# Altium PCB Shaheen.PcbDoc (part 1 of 4) (continued)
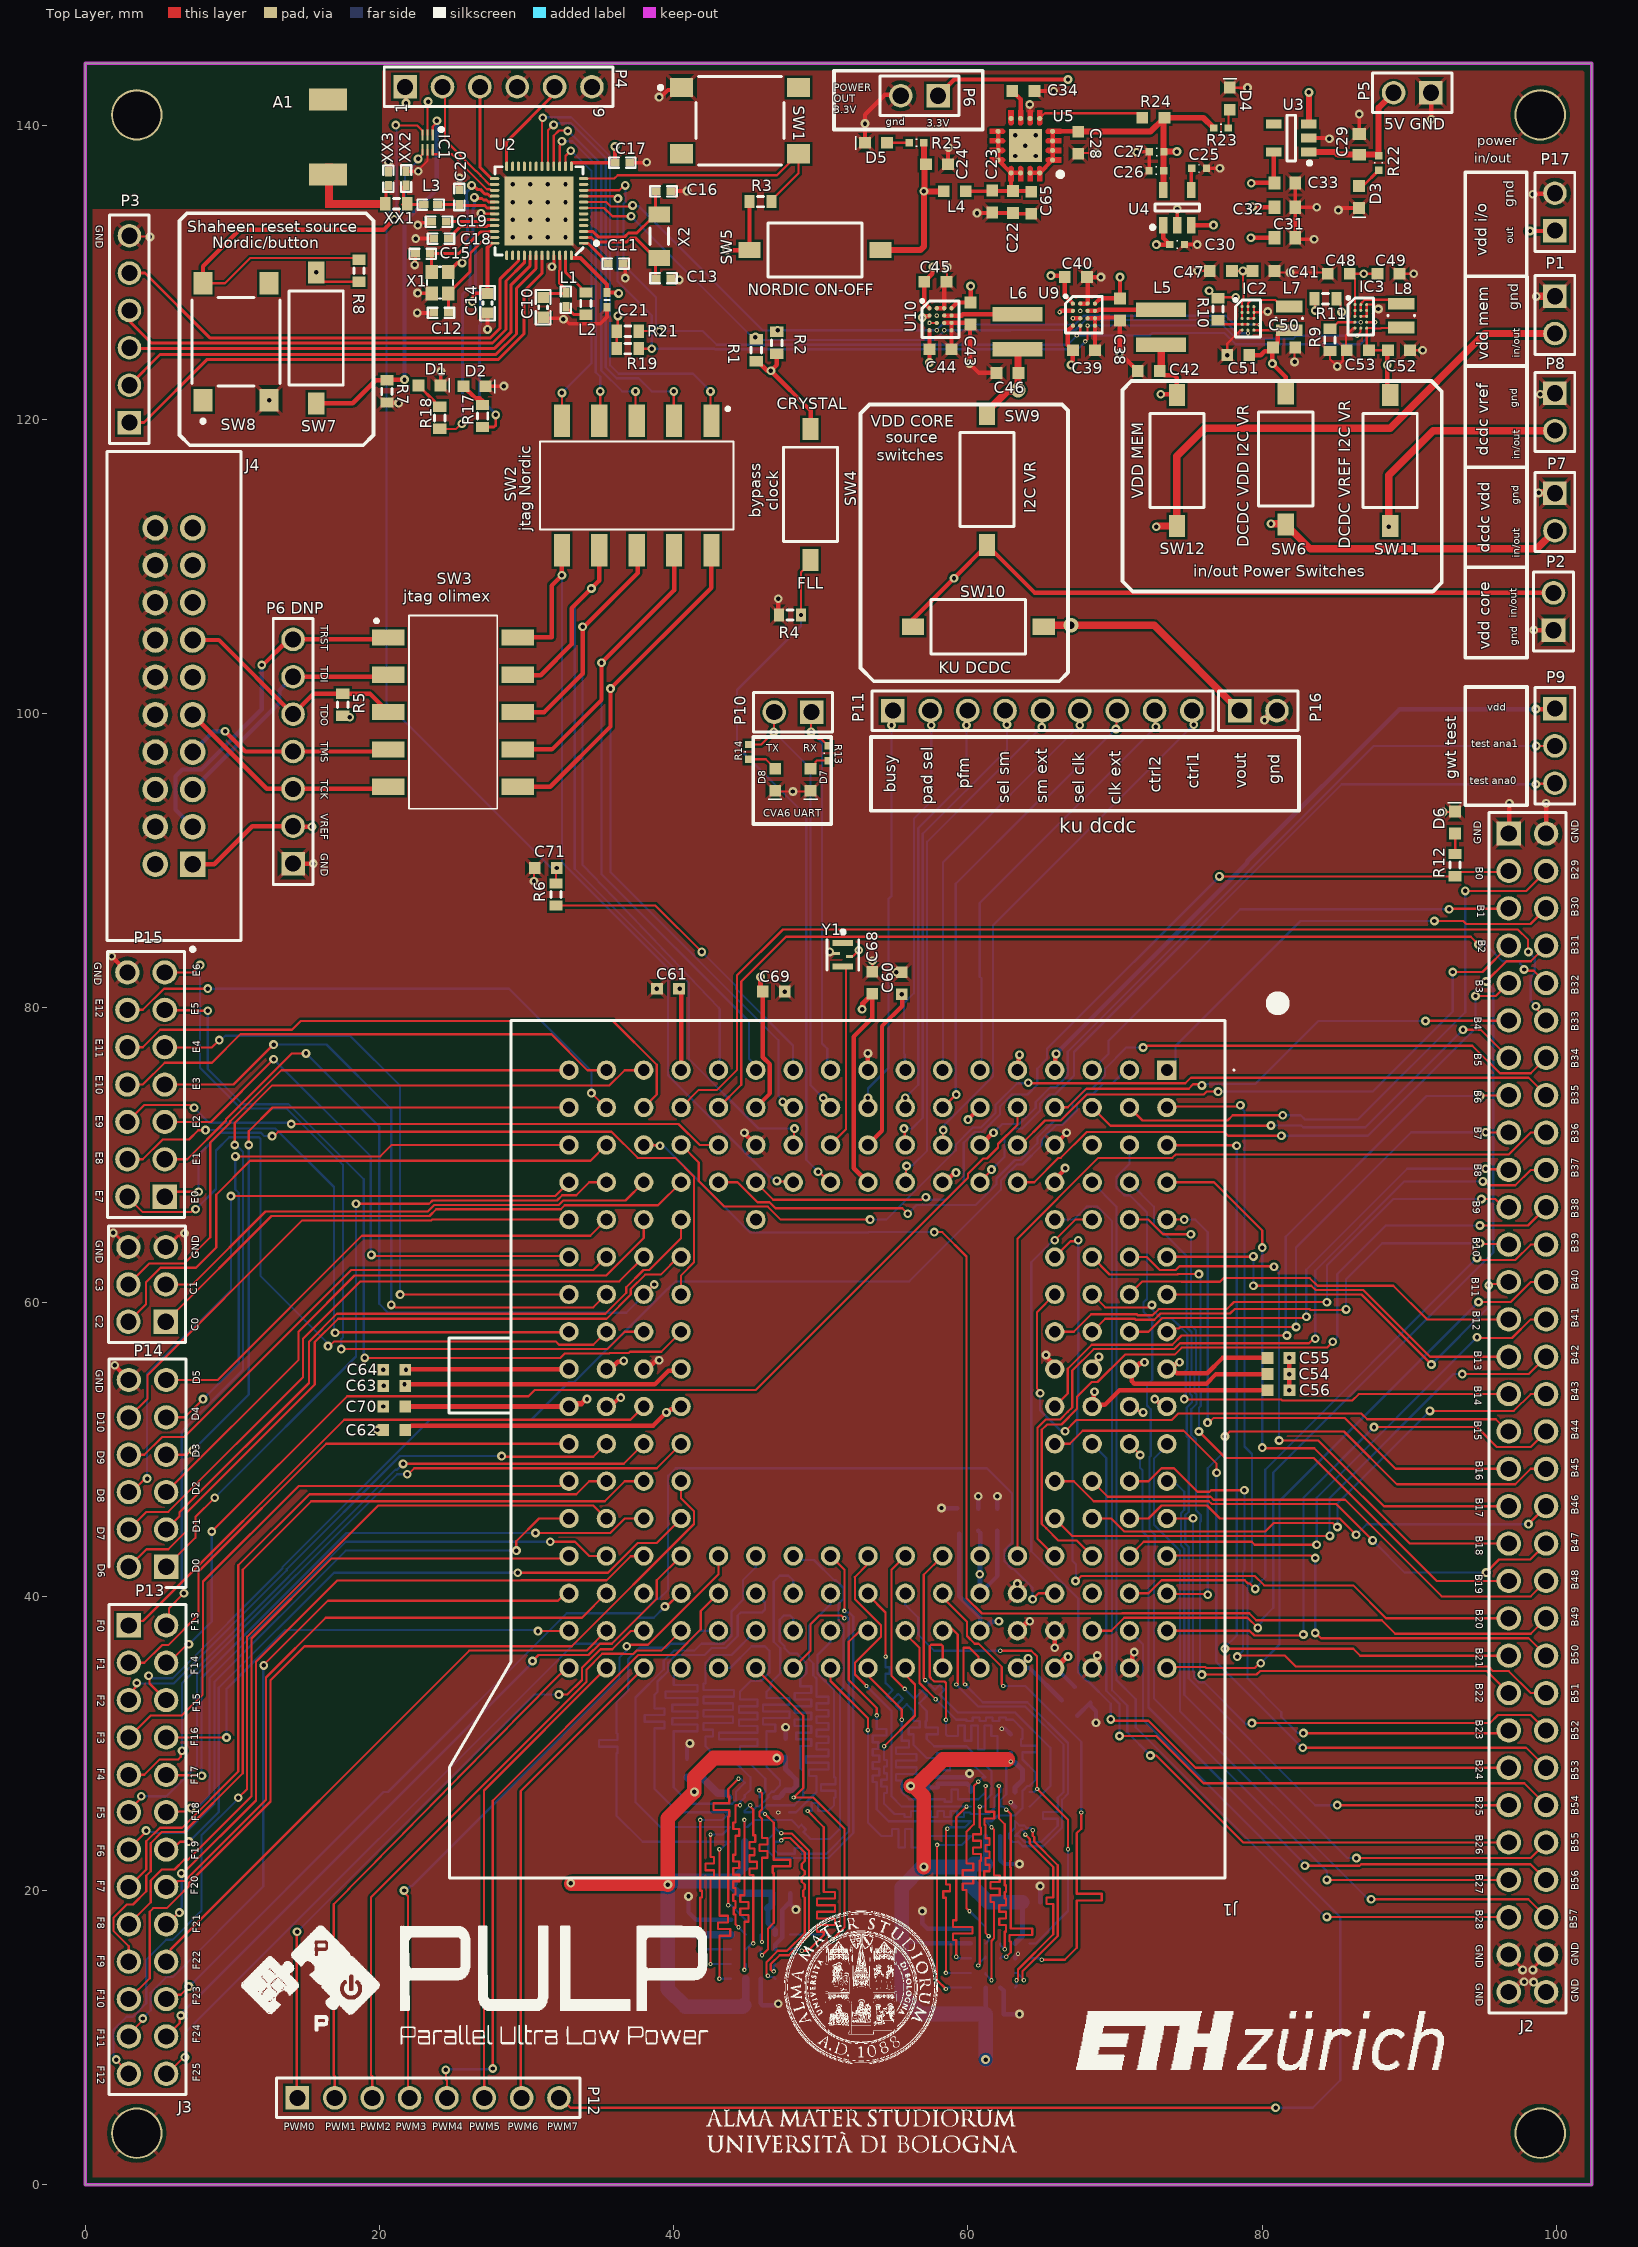
[diagram p0: Top Layer view]
## Design rules (kind name [scope] priority, off if disabled: settings)
BoardOutlineClearance [All] p1: gap=0 ignorepadtopadclearanceinfootprint=FALSE except(0.5: Poly-OutlineEdge)
Clearance [All] p1: gap=0.15 ignorepadtopadclearanceinfootprint=FALSE
ComponentClearance [All] p1: gap=0.127 collisioncheckmode=3 verticalgap=0.127 showdistances=FALSE
DiffPairsRouting [InNetClass('CLOCKDIFF')] p1: maxlimit=2 minlimit=0.2 mostfreqgap=0.2 toplayer_minwidth=0.15 toplayer_maxwidth=0.35 toplayer_prefwidth=0.15 bottomlayer_minwidth=0.15 bottomlayer_maxwidth=0.35 bottomlayer_prefwidth=0.15 maxuncoupledlength=40
HoleSize [All] p1: absolutevalues=TRUE maxlimit=3.2 minlimit=0.15 maxpercent=80.000 minpercent=20.000
HoleToHoleClearance [All] p1 off: gap=0.102 allowstackedmicrovias=TRUE
MatchedLengths HY21 [InxSignalClass('x_HY21')] p1: tolerance=0.1 checknetsindiffpair=FALSE checkdiffpairvsdiffpair=TRUE checkxsignals=TRUE checkothers=TRUE
MatchedLengths HY20 [InxSignalClass('x_HY20')] p2: tolerance=0.1 checknetsindiffpair=FALSE checkdiffpairvsdiffpair=TRUE checkxsignals=TRUE checkothers=TRUE
MatchedLengths HY10 [InxSignalClass('x_HY10')] p3: tolerance=0.1 checknetsindiffpair=FALSE checkdiffpairvsdiffpair=TRUE checkxsignals=TRUE checkothers=TRUE
MatchedLengths HY11 [InxSignalClass('x_HY11')] p4: tolerance=0.1 checknetsindiffpair=FALSE checkdiffpairvsdiffpair=TRUE checkxsignals=TRUE checkothers=TRUE
MatchedLengths [InNetClass('CLOCKDIFF')] p5: tolerance=0.254 checknetsindiffpair=FALSE checkdiffpairvsdiffpair=TRUE checkxsignals=TRUE checkothers=TRUE
MinimumSolderMaskSliver [All] p1: minsoldermaskwidth=0.03
PlaneClearance [All] p1: clearance=0.24
PlaneConnect [All] p1: planeconnectstyle=Direct reliefexpansion=0.508 reliefentries=4 reliefconductorwidth=0.254 reliefairgap=0.254
PolygonConnect [All] p1: thpad.connectstyle=Relief thpad.reliefconductorwidth=0.254 thpad.reliefentries=4 thpad.polygonreliefangle="45 Angle" thpad.airgapwidth=0.254 smdpad.connectstyle=Relief smdpad.reliefconductorwidth=0.254 smdpad.reliefentries=4 smdpad.polygonreliefangle="45 Angle" smdpad.airgapwidth=0.254 via.connectstyle=Direct via.reliefconductorwidth=0.254 via.reliefentries=4 via.polygonreliefangle="45 Angle" via.airgapwidth=0.254
RoutingLayers RoutingLayers_4 [All] p1: top layer_v5=TRUE bottom layer_v5=TRUE
RoutingLayers [All] p2: top layer_v5=TRUE bottom layer_v5=TRUE
RoutingVias [All] p1: holewidth=0.3 width=0.6 viastyle="Through Hole" minholewidth=0.15 minwidth=0.3 maxholewidth=0.508 maxwidth=1
SilkToSilkClearance [All] p1 off: silktosilkclearance=0.01
SilkToSolderMaskClearance [IsPad] p1 off: minsilkscreentomaskgap=0.01 clearancetoexposedcopper=TRUE
SolderMaskExpansion SolderMaskExpansion_1 [IsVia] p1: expansion=0.102 istentingtop=TRUE
SolderMaskExpansion [All] p2: expansion=0.075 istentingtop=FALSE
ViasUnderSMD [All] p1: allowed=TRUE
Width [All] p1: maxlimit=3 minlimit=0.15 preferedwidth=0.15
20 further rules are at their usual default settings.

## Classes and differential pairs
net class PAD_PWM[0..7]: PAD_PWM0 PAD_PWM1 PAD_PWM2 PAD_PWM3 PAD_PWM4 PAD_PWM5 PAD_PWM6 PAD_PWM7
net class PAD_GPIO_F[0..25]: PAD_GPIO_F0 PAD_GPIO_F1 PAD_GPIO_F2 PAD_GPIO_F3 PAD_GPIO_F4 PAD_GPIO_F5 PAD_GPIO_F6 PAD_GPIO_F7 PAD_GPIO_F8 PAD_GPIO_F9 PAD_GPIO_F10 PAD_GPIO_F11 PAD_GPIO_F12 PAD_GPIO_F13 PAD_GPIO_F14 PAD_GPIO_F15 PAD_GPIO_F16 PAD_GPIO_F17 PAD_GPIO_F18 PAD_GPIO_F19 PAD_GPIO_F20 PAD_GPIO_F21 PAD_GPIO_F22 PAD_GPIO_F23 PAD_GPIO_F24 PAD_GPIO_F25
net class PAD_GPIO_E[0..12]: PAD_GPIO_E0 PAD_GPIO_E1 PAD_GPIO_E2 PAD_GPIO_E3 PAD_GPIO_E4 PAD_GPIO_E5 PAD_GPIO_E6 PAD_GPIO_E7 PAD_GPIO_E8 PAD_GPIO_E9 PAD_GPIO_E10 PAD_GPIO_E11 PAD_GPIO_E12
net class PAD_GPIO_D[0..10]: PAD_GPIO_D0 PAD_GPIO_D1 PAD_GPIO_D2 PAD_GPIO_D3 PAD_GPIO_D4 PAD_GPIO_D5 PAD_GPIO_D6 PAD_GPIO_D7 PAD_GPIO_D8 PAD_GPIO_D9 PAD_GPIO_D10
net class PAD_GPIO_C[0..3]: PAD_GPIO_C0 PAD_GPIO_C1 PAD_GPIO_C2 PAD_GPIO_C3
net class PAD_GPIO_B[0..57]: PAD_GPIO_B0 PAD_GPIO_B1 PAD_GPIO_B2 PAD_GPIO_B3 PAD_GPIO_B4 PAD_GPIO_B5 PAD_GPIO_B6 PAD_GPIO_B7 PAD_GPIO_B8 PAD_GPIO_B9 PAD_GPIO_B10 PAD_GPIO_B11 PAD_GPIO_B12 PAD_GPIO_B13 PAD_GPIO_B14 PAD_GPIO_B15 PAD_GPIO_B16 PAD_GPIO_B17 PAD_GPIO_B18 PAD_GPIO_B19 PAD_GPIO_B20 PAD_GPIO_B21 PAD_GPIO_B22 PAD_GPIO_B23 PAD_GPIO_B24 PAD_GPIO_B25 PAD_GPIO_B26 PAD_GPIO_B27 PAD_GPIO_B28 PAD_GPIO_B29 PAD_GPIO_B30 PAD_GPIO_B31 PAD_GPIO_B32 PAD_GPIO_B33 PAD_GPIO_B34 PAD_GPIO_B35 PAD_GPIO_B36 PAD_GPIO_B37 PAD_GPIO_B38 PAD_GPIO_B39 PAD_GPIO_B40 PAD_GPIO_B41 PAD_GPIO_B42 PAD_GPIO_B43 PAD_GPIO_B44 PAD_GPIO_B45 PAD_GPIO_B46 PAD_GPIO_B47 PAD_GPIO_B48 PAD_GPIO_B49 PAD_GPIO_B50 PAD_GPIO_B51 PAD_GPIO_B52 PAD_GPIO_B53 PAD_GPIO_B54 PAD_GPIO_B55 PAD_GPIO_B56 PAD_GPIO_B57
component class Switches: C71 IC1 IC5 IC6 P2 R4 R6 R7 R8 SW4 SW7 SW8 SW9 SW10
component class Shaheen: C54 C55 C56 C57 C58 C59 C60 C61 C62 C63 C64 C66 C67 C68 C69 C70 D6 D7 D8 J1 J2 J3 P9 P10 P11 P12 P13 P14 P15 P16 R12 R13 R14 Y1
net class Hyper2: HYPER2_CK_N HYPER2_CK_P HYPER2_CSN0 HYPER2_CSN1 HYPER2_D0 HYPER2_D1 HYPER2_D2 HYPER2_D3 HYPER2_D4 HYPER2_D5 HYPER2_D6 HYPER2_D7 HYPER2_RESET HYPER2_RWDS
net class HYPER2_D[0..7]: HYPER2_D0 HYPER2_D1 HYPER2_D2 HYPER2_D3 HYPER2_D4 HYPER2_D5 HYPER2_D6 HYPER2_D7
net class HYPER2_CSN[0..1]: HYPER2_CSN0 HYPER2_CSN1
component class HyperRAM2: C4 C5 C6 C7 C8 C9 U7 U8
net class Hyper: HYPER_CK_N HYPER_CK_P HYPER_CSN0 HYPER_CSN1 HYPER_D0 HYPER_D1 HYPER_D2 HYPER_D3 HYPER_D4 HYPER_D5 HYPER_D6 HYPER_D7 HYPER_RWDS
net class HYPER_D[0..7]: HYPER_D0 HYPER_D1 HYPER_D2 HYPER_D3 HYPER_D4 HYPER_D5 HYPER_D6 HYPER_D7
net class HYPER_CSN[0..1]: HYPER_CSN0 HYPER_CSN1
component class Hyperram: C1 C2 C3 C35 C36 C37 U1 U6
component class Nordic: 0.762 A1 C10 C11 C12 C13 C14 C15 C16 C17 C18 C19 C20 C21 D1 D2 J4 L1 L2 L3 P3 P4 "P6 DNP" R1 R2 R3 R5 R17 R18 R19 R21 SW SW1 SW2 SW3 SW5 U2 X1 X2 X4 XX1 XX2 XX3
component class PowerDomain: C22 C23 C24 C25 C26 C27 C28 C29 C30 C31 C32 C33 C34 C38 C39 C40 C41 C42 C43 C44 C45 C46 C47 C48 C49 C50 C51 C52 C53 C65 D3 D4 D5 IC2 IC3 L4 L5 L6 L7 L8 P1 P5 P6 P7 P8 P17 R9 R10 R11 R22 R23 R24 R25 SW6 SW11 SW12 U3 U4 U5 U9 U10
pad class Pad_Class: COchg2-6 COchg2-7 COchg2-8 COchg2-9
differential pair HYPER2_CK: +HYPER2_CK_P -HYPER2_CK_N
differential pair HYPER_CK: +HYPER_CK_P -HYPER_CK_N

## Components (designator, comment, footprint, x,y, rotation, side; value= is the part's Value field where it differs from the comment)
A1 "ANT-2.45-CHP-T" ANTENNACHIP 16.493,137.292 r90 top
C1 "VJ0603Y104KNXAO" CAPC1608X92X38LL15T08 61.8,11.6 r180 bottom
C2 "VJ0603Y104KNXAO" CAPC1608X92X38LL15T08 56.9,17.125 r270 bottom
C3 "VJ0603Y104KNXAO" CAPC1608X92X38LL15T08 64.3,19.2 r180 bottom
C4 "VJ0603Y104KNXAO" CAPC1608X92X38LL15T08 45.3,21.4 r180 bottom
C5 "VJ0603Y104KNXAO" CAPC1608X92X38LL15T08 40.9,28.325 r270 bottom
C6 "VJ0603Y104KNXAO" CAPC1608X92X38LL15T08 47.6,29.7 r270 bottom
C7 "VJ0603Y104KNXAO" CAPC1608X92X38LL15T08 45.4,12.2 r180 bottom
C8 "VJ0603Y104KNXAO" CAPC1608X92X38LL15T08 41,17.9 r270 bottom
C9 "VJ0603Y104KNXAO" CAPC1608X92X38LL15T08 47.3,19.8 r180 bottom
C10 "1.0µF" CAPC1608X06L 31.123,127.614 r90 top
C11 "100nF" CAPC1005X04L 36.051,130.586 r0 top
C12 "12pF" CAPC1005X04L 24.186,127.233 r180 top
C13 "12pF" CAPC1005X04L 39.3,129.596 r0 top
C14 "4.7µF" CAPC1608X06L 27.339,127.894 r270 top
C15 "12pF" CAPC1005X04L 22.944,131.246 r180 top
C16 "12pF" CAPC1005X04L 39.3,135.496 r0 top
C17 "100nF" CAPC1005X04L 36.508,137.444 r0 top
C18 "100pF" CAPC1005X04L 24.186,132.288 r180 top
C19 "N.C." CAPC1005X04L 24.037,133.431 r0 top
C20 "0.8pF" CAPC1005X04L 25.434,135.107 r270 top
C21 "100nF" CAPC1005X04L 35.467,128.122 r270 top
C22 "Cap" 0603 63.051,134.777 r270 top value=100pF
C23 "Cap" 0603 61.654,134.802 r270 top value=100pF
C24 "Cap" 0603 57.895,137.342 r0 top value=100pF
C25 "Cap" "cap_0402_R - modified" 76.208,137.063 r180 top value=100pF
C26 "Cap" "cap_0402_R - modified" 73.3,136.9 r180 top value=100pF
C27 "Cap" "cap_0402_R - modified" 72.322,138.181 r0 top value=100pF
C28 "Cap" 0603 67.5,138.8 r270 top value=4.7uF
C29 "Cap Semi" 1608[0603] 86.597,138.689 r270 top value=100pF
C30 "Cap" "cap_0402_R - modified" 74.716,131.88 r180 top value=100pF
C31 "Cap Semi" 1608[0603] 81.542,132.339 r180 top value=100pF
C32 "Cap Semi" 1608[0603] 81.542,134.421 r180 top value=100pF
C33 "Cap Semi" 1608[0603] 81.542,136.072 r180 top value=100pF
C34 "" 0603 63.762,142.321 r0 top value=100nF
C35 "VJ0603Y104KNXAO" CAPC1608X92X38LL15T08 57.3,27.625 r270 bottom
C36 "VJ0603Y104KNXAO" CAPC1608X92X38LL15T08 62.9,30 r270 bottom
C37 "VJ0603Y104KNXAO" CAPC1608X92X38LL15T08 61.825,21.8 r180 bottom
C38 "Cap" 0603 70.332,127.468 r90 top value=0.1uF
C39 "Cap" 0603 67.882,124.701 r180 top value=0.1uF
C40 "Cap" 0603 67.332,129.668 r0 top value=10uF
C41 "Cap" 0603 80.09,130.09 r180 top value=4.7uF
C42 "Cap" 0603 72.29,123.29 r180 top value=47uF
C43 "Cap" 0603 60.174,127.191 r90 top value=0.1uF
C44 "Cap" 0603 58.131,124.761 r180 top value=0.1uF
C45 "Cap" 0603 57.781,129.354 r0 top value=10uF
C46 "Cap" 0603 62.681,123.154 r180 top value=47uF
C47 "Cap" 0603 77.19,130.09 r0 top value=100nF
C48 "Cap" 0603 85.2,129.9 r0 top value=4.7uF
C49 "Cap" 0603 88.58,129.9 r180 top value=100nF
C50 "Cap" 0603 81.49,124.89 r0 top value=22uF
C51 "Cap" 0603 78.368,124.364 r180 top value=22uF
C52 "Cap" 0603 89.3,124.7 r0 top value=22uF
C53 "Cap" 0603 86.5,124.7 r180 top value=22uF
C54 "Cap" 0603 81.1,55.1 r0 top value=100nF
C55 "Cap" 0603 81.1,56.2 r0 top value=100nF
C56 "Cap" 0603 81.1,54 r0 top value=100nF
C57 "Cap" 0603 60.7,45.2 r90 bottom value=100nF
C58 "Cap" 0603 67.8,33.3 r315 bottom value=100nF
C59 "Cap" 0603 62,45.2 r270 bottom value=100nF
C60 "Cap" 0603 55.504,81.664 r90 top value=100nF
C61 "Cap" 0603 39.606,81.293 r180 top value=100nF
C62 "Cap" 0603 21,51.3 r0 top value=100nF
C63 "Cap" 0603 21,54.3 r180 top value=100nF
C64 "Cap" 0603 21,55.4 r180 top value=100nF
C65 "Cap" 0603 64.3,134.725 r270 top value=4.7uF
C66 "Cap" 0603 59.3,45.2 r270 bottom value=100nF
C67 "Cap" 0603 66.9,32.4 r315 bottom value=100nF
C68 "Cap" 0603 53.5,81.7 r90 top value=100nF
C69 "Cap" 0603 46.8,81.1 r0 top value=100nF
C70 "Cap" 0603 21,52.9 r180 top value=100nF
C71 "Cap" 0603 31.3,89.5 r180 top value=1uF
D1 "LED3" 0603 23.4,122.3 r0 top
D2 "LED3" 0603 26.45,122.255 r0 top
D3 "LED3" 0603 86.571,135.107 r270 top
D4 "LED3" 0603 77.8,141.8 r90 top
D5 "LED3" 0603 53.75,138.796 r180 top
D6 "LED3" 0603 93.1,92.6 r90 top
D7 "LED3" 0603 49.3,95.5 r270 top
D8 "LED3" 0603 46.9,95.5 r270 top
IC1 "DG4157EDN-T1-GE4" SON35P100X100X38-6N 23.271,138.825 r270 top
IC2 "FAN53528DUC40X" BGA15C40P3X5_131X202X62 79.032,126.861 r0 top
IC3 "FAN53528DUC40X" BGA15C40P3X5_131X202X62 86.7,127 r0 top
J1 "441-PRS21001-16" 441PRS2100116 73.52,75.76 r180 top locked
J2 "61306421121" 61306421121 98.03,52.47 r270 top
J3 "61301221121" HDRV12W64P254_2X6_1524X508X889P 5.5,42 r90 top
J4 "70246-2004" FP-70246-2004-MFG 6.03,101.19 r90 top
L1 "LQW15AN15NJ00D" INDC1005X04L 32.673,128.122 r270 top value=15nH
L2 "L0603B100KDWFT" J1-0603 34.029,127.868 r90 top value=10µH
L3 "3.9nH" INDC1005X04L 23.478,134.599 r180 top
L4 "Inductor" 0603 59.1,135.5 r180 top value=2.2uH
L5 "XFL4020-102MEC" COIL-XFL4020_V 73.132,126.268 r90 top
L6 "XFL4020-102MEC" COIL-XFL4020_V 63.381,125.954 r90 top
L7 "DFE201610P-R33M=P2" FP-DFE201610C-MFG 81.832,126.861 r270 top
L8 "DFE201610P-R33M=P2" FP-DFE201610C-MFG 89.45,127.05 r270 top
P1 "61300211121" 61300211121 99.9,127.1 r270 top
P2 "61300211121" 61300211121 99.8,106.93 r90 top
P3 "61300611121" 61300611121 3,126.13 r90 top
P4 "61300611121" 61300611121 28.09,142.6 r0 top
P5 "61300211121" 61300211121 90.2,142.2 r180 top
P6 "61300211121" 61300211121 56.7,142 r180 top
"P6 DNP" "61300711121" 61300711121 14.123,97.42 r90 top
P7 "61300211121" 61300211121 99.9,113.7 r270 top
P8 "61300211121" 61300211121 99.9,120.5 r270 top
P9 "61300311121" 61300311121 99.9,97.8 r270 top
P10 "61300211121" 61300211121 48.1,100.1 r180 top
P11 "61300911121" 61300911121 65.06,100.2 r0 top
P12 "61300811121" 61300811121 23.31,5.9 r0 top
P13 "61302621121" 61302621121 4.23,22.78 r270 top
P14 "61300621121" 61300621121 4.2,61.2 r90 top
P15 "61301421121" 61301421121 4.13,74.78 r90 top
P16 "61300211121" 61300211121 79.73,100.2 r0 top
P17 "61300211121" 61300211121 99.9,134.1 r90 top
R1 "0R" J1-0603 45.6,124.7 r90 top value=1K
R2 "0R" J1-0603 47,125.2 r90 top value=1K
R3 "0R" J1-0603 45.9,134.8 r180 top value=1K
R4 "0R" J1-0603 47.9,106.7 r180 top value=1K
R5 "0R" J1-0603 17.5,100.6 r90 top value=10K
R6 "0R" J1-0603 32,87.7 r270 top value=10K
R7 "0R" J1-0603 20.5,121.9 r270 top value=1K
R8 "0R" J1-0603 18.6,130.1 r270 top value=1K
R9 "0R" J1-0603 84.6,125.4 r270 top value=1K
R10 "0R" J1-0603 76.99,127.49 r90 top value=1K
R11 "0R" J1-0603 84.3,128.2 r180 top value=1K
R12 "Res3" J1-0603 93.1,89.7 r90 top value=100R
R13 "Res3" "res_0402_R - modified" 50.5,97.8 r270 top value=100R
R14 "Res3" "res_0402_R - modified" 45.1,97.9 r270 top value=100R
R17 "Res3" J1-0603 27.008,120.223 r90 top value=100R
R18 "Res3" J1-0603 24.1,120.1 r90 top value=100R
R19 "0R" J1-0603 36.876,124.808 r180 top value=1K
R21 "0R" J1-0603 36.876,125.991 r180 top value=1K
R22 "Res3" "res_0402_R - modified" 87.918,137.927 r270 top value=1K
R23 "Res3" "res_0402_R - modified" 76.7,139.8 r0 top value=1K
R24 "" 0603 72.6,140.5 r0 top value=100K
R25 "Res3" "res_0402_R - modified" 57,138.8 r180 top value=100R
SW1 "PTS645SM43SMTR92LFS" FP-PTS645SM43SMTR92LFS-MFG 44.5,140.3 r0 top
SW2 "418121160805" 418121160805 37.48,115.5 r180 top
SW3 "418121160805" 418121160805 25,100.1 r270 top
SW4 "A6S-1104-H" FP-A6S-1104-H-MFG 49.3,114.9 r0 top
SW5 "A6S-1104-H" FP-A6S-1104-H-MFG 49.6,131.5 r90 top
SW6 "A6S-1104-H" FP-A6S-1104-H-MFG 81.6,117.3 r180 top
SW7 "A6S-1104-H" FP-A6S-1104-H-MFG 15.695,125.536 r0 top
SW8 "PTS645SM43SMTR92LFS" FP-PTS645SM43SMTR92LFS-MFG 10.248,125.273 r90 top
SW9 "A6S-1104-H" FP-A6S-1104-H-MFG 61.3,115.9 r0 top
SW10 "A6S-1104-H" FP-A6S-1104-H-MFG 60.7,105.9 r270 top
SW11 "A6S-1104-H" FP-A6S-1104-H-MFG 88.7,117.2 r180 top
SW12 "A6S-1104-H" FP-A6S-1104-H-MFG 74.2,117.2 r180 top
U1 "S71KS512SC0" FBGA24_A-130 62.2,15.4 r90 bottom
U2 "nRF52832-QFAA" QFN40P600X600X90-48N 30.844,134.167 r180 top
U3 "TLV70237" "SOT23__DDC__(R - PDSO-  G5)" 81.974,139.12 r180 top
U4 "TPS79333" "SOT_23__DBV_(R - PDSO - G5)" 74.227,134.396 r90 top
U5 "ADP1740ACPZ-1.8-R7" ADP1740ACPZ-1.8-R7 63.9,138.6 r180 top
U6 "S71KS512SC0" FBGA24_A-130 62.2,25.7 r90 bottom
U7 "S71KS512SC0" FBGA24_A-130 45.825,25.316 r90 bottom
U8 "S71KS512SC0" FBGA24_A-130 45.9,16 r90 bottom
U9 "TPS62361BYZHR" BGA16C50P4X4_206X206X62 67.882,127.118 r0 top
U10 "TPS62361BYZHR" BGA16C50P4X4_206X206X62 58.131,126.804 r0 top
X1 "FA-128 32.0000MF10Z-AJ3-ND" BT-XTAL_2016 24.111,129.291 r270 top value=32MHz
X2 "ABS07-32.768KHZ-9-1-T" ABS07-32.768KHZ-9-1-T 39.023,132.44 r90 top value=32.768kHz
XX1 "Res3" J1-0603 21.144,134.65 r180 top value=1K
XX2 "NC" INDC1005X04L 21.801,136.377 r90 top value=N.C.
XX3 "NC" INDC1005X04L 20.608,136.352 r90 top value=N.C.
Y1 "SIT1533AC-H5-DCC-32.768E" FP-SiT1533-H-MFG 51.5,83.6 r270 top

## Footprints (in the part's own frame and the unit in brackets; to place one, negate y for a bottom-side part, rotate by r counter-clockwise, add the part's x,y. Pads: shape width x height; smd on the part's side, far side on the other; paste and mask are expansions set on the pad)
441PRS2100116 [mm]
  round 1.316 hole 0.81: A1(40.64,0) A2(40.64,2.54) A3(40.64,5.08) A4(40.64,7.62) A5(40.64,10.16) A6(40.64,12.7) A7(40.64,15.24) A8(40.64,17.78) A9(40.64,20.32) A10(40.64,22.86) A11(40.64,25.4) A12(40.64,27.94) A13(40.64,30.48) A14(40.64,33.02) A15(40.64,35.56) A16(40.64,38.1) A17(40.64,40.64) B1(38.1,0) B2(38.1,2.54) B3(38.1,5.08) B4(38.1,7.62) B5(38.1,10.16) B6(38.1,12.7) B7(38.1,15.24) B8(38.1,17.78) B9(38.1,20.32) B10(38.1,22.86) B11(38.1,25.4) B12(38.1,27.94) B13(38.1,30.48) B14(38.1,33.02) B15(38.1,35.56) B16(38.1,38.1) B17(38.1,40.64) C1(35.56,0) C2(35.56,2.54) C3(35.56,5.08) C4(35.56,7.62) C5(35.56,10.16) C6(35.56,12.7) C7(35.56,15.24) C8(35.56,17.78) C9(35.56,20.32) C10(35.56,22.86) C11(35.56,25.4) C12(35.56,27.94) C13(35.56,30.48) C14(35.56,33.02) C15(35.56,35.56) C16(35.56,38.1) C17(35.56,40.64) D1(33.02,0) D2(33.02,2.54) D3(33.02,5.08) D4(33.02,7.62) D5(33.02,10.16) D6(33.02,12.7) D7(33.02,15.24) D8(33.02,17.78) D9(33.02,20.32) D10(33.02,22.86) D11(33.02,25.4) D12(33.02,27.94) D13(33.02,30.48) D14(33.02,33.02) D15(33.02,35.56) D16(33.02,38.1) D17(33.02,40.64) E1(30.48,0) E2(30.48,2.54) E3(30.48,5.08) E4(30.48,7.62) E14(30.48,33.02) E15(30.48,35.56) E16(30.48,38.1) E17(30.48,40.64) F1(27.94,0) F2(27.94,2.54) F3(27.94,5.08) F4(27.94,7.62) F5(27.94,10.16) F14(27.94,33.02) F15(27.94,35.56) F16(27.94,38.1) F17(27.94,40.64) G1(25.4,0) G2(25.4,2.54) G3(25.4,5.08) G4(25.4,7.62) G14(25.4,33.02) G15(25.4,35.56) G16(25.4,38.1) G17(25.4,40.64) H1(22.86,0) H2(22.86,2.54) H3(22.86,5.08) H4(22.86,7.62) H14(22.86,33.02) H15(22.86,35.56) H16(22.86,38.1) H17(22.86,40.64) J1(20.32,0) J2(20.32,2.54) J3(20.32,5.08) J4(20.32,7.62) J14(20.32,33.02) J15(20.32,35.56) J16(20.32,38.1) J17(20.32,40.64) K1(17.78,0) K2(17.78,2.54) K3(17.78,5.08) K4(17.78,7.62) K14(17.78,33.02) K15(17.78,35.56) K16(17.78,38.1) K17(17.78,40.64) L1(15.24,0) L2(15.24,2.54) L3(15.24,5.08) L4(15.24,7.62) L14(15.24,33.02) L15(15.24,35.56) L16(15.24,38.1) L17(15.24,40.64) M1(12.7,0) M2(12.7,2.54) M3(12.7,5.08) M4(12.7,7.62) M14(12.7,33.02) M15(12.7,35.56) M16(12.7,38.1) M17(12.7,40.64) N1(10.16,0) N2(10.16,2.54) N3(10.16,5.08) N4(10.16,7.62) N14(10.16,33.02) N15(10.16,35.56) N16(10.16,38.1) N17(10.16,40.64) P1(7.62,0) P2(7.62,2.54) P3(7.62,5.08) P4(7.62,7.62) P5(7.62,10.16) P6(7.62,12.7) P7(7.62,15.24) P8(7.62,17.78) P9(7.62,20.32) P10(7.62,22.86) P11(7.62,25.4) P12(7.62,27.94) P13(7.62,30.48) P14(7.62,33.02) P15(7.62,35.56) P16(7.62,38.1) P17(7.62,40.64) R1(5.08,0) R2(5.08,2.54) R3(5.08,5.08) R4(5.08,7.62) R5(5.08,10.16) R6(5.08,12.7) R7(5.08,15.24) R8(5.08,17.78) R9(5.08,20.32) R10(5.08,22.86) R11(5.08,25.4) R12(5.08,27.94) R13(5.08,30.48) R14(5.08,33.02) R15(5.08,35.56) R16(5.08,38.1) R17(5.08,40.64) S1(2.54,0) S2(2.54,2.54) S3(2.54,5.08) S4(2.54,7.62) S5(2.54,10.16) S6(2.54,12.7) S7(2.54,15.24) S8(2.54,17.78) S9(2.54,20.32) S10(2.54,22.86) S11(2.54,25.4) S12(2.54,27.94) S13(2.54,30.48) S14(2.54,33.02) S15(2.54,35.56) S16(2.54,38.1) S17(2.54,40.64) T2(0,2.54) T3(0,5.08) T4(0,7.62) T5(0,10.16) T6(0,12.7) T7(0,15.24) T8(0,17.78) T9(0,20.32) T10(0,22.86) T11(0,25.4) T12(0,27.94) T13(0,30.48) T14(0,33.02) T15(0,35.56) T16(0,38.1) T17(0,40.64)
  rect 1.316x1.316 hole 0.81: T1(0,0)
  silkscreen extent -4.6,-3.38 48.81,54.9
0603 [mm] "Radial Cap, Thru-Hole; 2 Leads; 0.3 in Pin Spacing"
  rect 0.8x0.8 smd: 1(-0.75,0) 2(0.75,0)
1608[0603] [mm] "Chip Capacitor, Body 1.6x0.8mm, IPC High Density"
  rect 0.8x0.9 smd: 1(-0.7,0) 2(0.7,0)
  body extent -0.87,-0.48 0.87,0.48, height 1.3
61300211121 [mm] "Pin Header, pitch 2.54 mm, THT, Vertical, single row, 2p"
  rect 1.6x1.6 hole 1.1: 1(-1.27,0)
  round 1.6 hole 1.1: 2(1.27,0)
  silkscreen extent -2.69,-1.35 2.69,1.35, body extent -2.54,-1.27 2.54,1.27, height 8.57
61300311121 [mm] "Pin Header, pitch 2.54 mm, THT, Vertical, single row, 3p"
  rect 1.6x1.6 hole 1.1: 1(-2.54,0)
  round 1.6 hole 1.1: 2(0,0) 3(2.54,0)
  silkscreen extent -3.96,-1.35 3.96,1.35, body extent -3.81,-1.27 3.81,1.27, height 8.57
61300611121 [mm] "Pin Header, pitch 2.54 mm, THT, Vertical, single row, 6p"
  rect 1.6x1.6 hole 1.1: 1(-6.35,0)
  round 1.6 hole 1.1: 2(-3.81,0) 3(-1.27,0) 4(1.27,0) 5(3.81,0) 6(6.35,0)
  silkscreen extent -7.77,-1.35 7.77,1.35, body extent -7.62,-1.27 7.62,1.27, height 8.57
61300621121 [mm] "Pin Header, pitch 2.54 mm, THT, Vertical, dual row, 6p"
  rect 1.65x1.65 hole 1.1: 1(-2.54,-1.27)
  round 1.65 hole 1.1: 2(-2.54,1.27) 3(0,-1.27) 4(0,1.27) 5(2.54,-1.27) 6(2.54,1.27)
  silkscreen extent -3.96,-2.62 3.96,2.62, body extent -3.81,-2.54 3.81,2.54, height 8.59
61300711121 [mm] "Pin Header, pitch 2.54 mm, THT, Vertical, single row, 7p"
  rect 1.6x1.6 hole 1.1: 1(-7.62,0)
  round 1.6 hole 1.1: 2(-5.08,0) 3(-2.54,0) 4(0,0) 5(2.54,0) 6(5.08,0) 7(7.62,0)
  silkscreen extent -9.04,-1.35 9.04,1.35, body extent -8.89,-1.27 8.89,1.27, height 8.57
61300811121 [mm] "Pin Header, pitch 2.54 mm, THT, Vertical, single row, 8p"
  rect 1.6x1.6 hole 1.1: 1(-8.89,0)
  round 1.6 hole 1.1: 2(-6.35,0) 3(-3.81,0) 4(-1.27,0) 5(1.27,0) 6(3.81,0) 7(6.35,0) 8(8.89,0)
  silkscreen extent -10.31,-1.35 10.31,1.35, body extent -10.16,-1.27 10.16,1.27, height 8.57
61300911121 [mm] "Pin Header, pitch 2.54 mm, THT, Vertical, single row, 9p"
  rect 1.6x1.6 hole 1.1: 1(-10.16,0)
  round 1.6 hole 1.1: 2(-7.62,0) 3(-5.08,0) 4(-2.54,0) 5(0,0) 6(2.54,0) 7(5.08,0) 8(7.62,0) 9(10.16,0)
  silkscreen extent -11.58,-1.35 11.58,1.35, body extent -11.43,-1.27 11.43,1.27, height 8.57
61301421121 [mm] "Pin Header, pitch 2.54 mm, THT, Vertical, dual row, 14p"
  rect 1.65x1.65 hole 1.1: 1(-7.62,-1.27)
  round 1.65 hole 1.1: 2(-7.62,1.27) 3(-5.08,-1.27) 4(-5.08,1.27) 5(-2.54,-1.27) 6(-2.54,1.27) 7(0,-1.27) 8(0,1.27) 9(2.54,-1.27) 10(2.54,1.27) 11(5.08,-1.27) 12(5.08,1.27) 13(7.62,-1.27) 14(7.62,1.27)
  silkscreen extent -9.04,-2.62 9.04,2.62, body extent -8.89,-2.54 8.89,2.54, height 8.59
61302621121 [mm] "Pin Header, pitch 2.54 mm, THT, Vertical, dual row, 26p"
  rect 1.65x1.65 hole 1.1: 1(-15.24,-1.27)
  round 1.65 hole 1.1: 2(-15.24,1.27) 3(-12.7,-1.27) 4(-12.7,1.27) 5(-10.16,-1.27) 6(-10.16,1.27) 7(-7.62,-1.27) 8(-7.62,1.27) 9(-5.08,-1.27) 10(-5.08,1.27) 11(-2.54,-1.27) 12(-2.54,1.27) 13(0,-1.27) 14(0,1.27) 15(2.54,-1.27) 16(2.54,1.27) 17(5.08,-1.27) 18(5.08,1.27) 19(7.62,-1.27) 20(7.62,1.27) 21(10.16,-1.27) 22(10.16,1.27) 23(12.7,-1.27) 24(12.7,1.27) 25(15.24,-1.27) 26(15.24,1.27)
  silkscreen extent -16.66,-2.62 16.66,2.62, body extent -16.51,-2.54 16.51,2.54, height 8.59
61306421121 [mm] "Pin Header, pitch 2.54 mm, THT, Vertical, dual row, 64p"
  rect 1.65x1.65 hole 1.1: 1(-39.37,-1.27)
  round 1.65 hole 1.1: 2(-39.37,1.27) 3(-36.83,-1.27) 4(-36.83,1.27) 5(-34.29,-1.27) 6(-34.29,1.27) 7(-31.75,-1.27) 8(-31.75,1.27) 9(-29.21,-1.27) 10(-29.21,1.27) 11(-26.67,-1.27) 12(-26.67,1.27) 13(-24.13,-1.27) 14(-24.13,1.27) 15(-21.59,-1.27) 16(-21.59,1.27) 17(-19.05,-1.27) 18(-19.05,1.27) 19(-16.51,-1.27) 20(-16.51,1.27) 21(-13.97,-1.27) 22(-13.97,1.27) 23(-11.43,-1.27) 24(-11.43,1.27) 25(-8.89,-1.27) 26(-8.89,1.27) 27(-6.35,-1.27) 28(-6.35,1.27) 29(-3.81,-1.27) 30(-3.81,1.27) 31(-1.27,-1.27) 32(-1.27,1.27) 33(1.27,-1.27) 34(1.27,1.27) 35(3.81,-1.27) 36(3.81,1.27) 37(6.35,-1.27) 38(6.35,1.27) 39(8.89,-1.27) 40(8.89,1.27) 41(11.43,-1.27) 42(11.43,1.27) 43(13.97,-1.27) 44(13.97,1.27) 45(16.51,-1.27) 46(16.51,1.27) 47(19.05,-1.27) 48(19.05,1.27) 49(21.59,-1.27) 50(21.59,1.27) 51(24.13,-1.27) 52(24.13,1.27) 53(26.67,-1.27) 54(26.67,1.27) 55(29.21,-1.27) 56(29.21,1.27) 57(31.75,-1.27) 58(31.75,1.27) 59(34.29,-1.27) 60(34.29,1.27) 61(36.83,-1.27) 62(36.83,1.27) 63(39.37,-1.27) 64(39.37,1.27)
  silkscreen extent -40.79,-2.62 40.79,2.62, body extent -40.64,-2.54 40.64,2.54, height 8.59
418121160805 [mm] "05p, 2.54mm Pitch, Horizontal, IC Type, SMT, flat Actuator, black, with Tape, T&R"
  rect 1.1x2.2 smd: 1(-5.08,-4.4) 2(-2.54,-4.4) 3(0,-4.4) 4(2.54,-4.4) 5(5.08,-4.4) 6(5.08,4.4) 7(2.54,4.4) 8(0,4.4) 9(-2.54,4.4) 10(-5.08,4.4)
  silkscreen extent -6.57,-5.31 6.57,3, body extent -6.57,-4.85 6.57,4.85, height 3.67
ABS07-32.768KHZ-9-1-T [mm] "Crystals CRYSTAL 32.7680KHZ 6PF SMD"
  rect 1.1x1.45 smd: 1(-1.475,0) 2(1.475,0)
  silkscreen extent -0.55,-0.63 0.55,0.62, body extent -1.65,-0.7 1.65,0.7, height 0.9
ADP1740ACPZ-1.8-R7 [mm]
  round 0.35 smd: 1(-1.85,0.975) 2(-1.85,0.325) 3(-1.85,-0.325) 4(-1.85,-0.975) 5(-0.975,-1.85) 6(-0.325,-1.85) 7(0.325,-1.85) 8(0.975,-1.85) 9(1.85,-0.975) 10(1.85,-0.325) 11(1.85,0.325) 12(1.85,0.975) 13(0.975,1.85) 14(0.325,1.85) 15(-0.325,1.85) 16(-0.975,1.85)
  rect 2.25x2.25 smd: 17(0,0)
  Top Layer region: 0.8,-2.425 0.8,-1.55 0.806,-1.505 0.823,-1.462 0.851,-1.426 0.887,-1.398 0.93,-1.381 0.975,-1.375 1.02,-1.381 1.062,-1.398 1.099,-1.426 1.127,-1.462 1.144,-1.505 1.15,-1.55 1.15,-1.55 1.15,-2.425 0.8,-2.425
  Top Layer region: -0.8,2.425 -0.8,1.55 -0.806,1.505 -0.823,1.462 -0.851,1.426 -0.887,1.398 -0.93,1.381 -0.975,1.375 -1.02,1.381 -1.062,1.398 -1.099,1.426 -1.127,1.462 -1.144,1.505 -1.15,1.55 -1.15,1.55 -1.15,2.425 -0.8,2.425
  Top Layer region: -0.15,2.425 -0.15,1.55 -0.156,1.505 -0.173,1.462 -0.201,1.426 -0.238,1.398 -0.28,1.381 -0.325,1.375 -0.37,1.381 -0.413,1.398 -0.449,1.426 -0.477,1.462 -0.494,1.505 -0.5,1.55 -0.5,1.55 -0.5,2.425 -0.15,2.425
  Top Layer region: 0.5,2.425 0.5,1.55 0.494,1.505 0.477,1.462 0.449,1.426 0.413,1.398 0.37,1.381 0.325,1.375 0.28,1.381 0.238,1.398 0.201,1.426 0.173,1.462 0.156,1.505 0.15,1.55 0.15,1.55 0.15,2.425 0.5,2.425
  Top Layer region: 1.15,2.425 1.15,1.55 1.144,1.505 1.127,1.462 1.099,1.426 1.062,1.398 1.02,1.381 0.975,1.375 0.93,1.381 0.887,1.398 0.851,1.426 0.823,1.462 0.806,1.505 0.8,1.55 0.8,1.55 0.8,2.425 1.15,2.425
  Top Layer region: 2.425,0.8 1.55,0.8 1.505,0.806 1.462,0.823 1.426,0.851 1.398,0.887 1.381,0.93 1.375,0.975 1.381,1.02 1.398,1.062 1.426,1.099 1.462,1.127 1.505,1.144 1.55,1.15 1.55,1.15 2.425,1.15 2.425,0.8
  Top Layer region: 2.425,0.15 1.55,0.15 1.505,0.156 1.462,0.173 1.426,0.201 1.398,0.238 1.381,0.28 1.375,0.325 1.381,0.37 1.398,0.413 1.426,0.449 1.462,0.477 1.505,0.494 1.55,0.5 1.55,0.5 2.425,0.5 2.425,0.15
  Top Layer region: 2.425,-0.5 1.55,-0.5 1.505,-0.494 1.462,-0.477 1.426,-0.449 1.398,-0.413 1.381,-0.37 1.375,-0.325 1.381,-0.28 1.398,-0.238 1.426,-0.201 1.462,-0.173 1.505,-0.156 1.55,-0.15 1.55,-0.15 2.425,-0.15 2.425,-0.5
  Top Layer region: 2.425,-1.15 1.55,-1.15 1.505,-1.144 1.462,-1.127 1.426,-1.099 1.398,-1.062 1.381,-1.02 1.375,-0.975 1.381,-0.93 1.398,-0.887 1.426,-0.851 1.462,-0.823 1.505,-0.806 1.55,-0.8 1.55,-0.8 2.425,-0.8 2.425,-1.15
  Top Layer region: 0.15,-2.425 0.15,-1.55 0.156,-1.505 0.173,-1.462 0.201,-1.426 0.238,-1.398 0.28,-1.381 0.325,-1.375 0.37,-1.381 0.413,-1.398 0.449,-1.426 0.477,-1.462 0.494,-1.505 0.5,-1.55 0.5,-1.55 0.5,-2.425 0.15,-2.425
  Top Layer region: -0.5,-2.425 -0.5,-1.55 -0.494,-1.505 -0.477,-1.462 -0.449,-1.426 -0.413,-1.398 -0.37,-1.381 -0.325,-1.375 -0.28,-1.381 -0.238,-1.398 -0.201,-1.426 -0.173,-1.462 -0.156,-1.505 -0.15,-1.55 -0.15,-1.55 -0.15,-2.425 -0.5,-2.425
  Top Layer region: -1.15,-2.425 -1.15,-1.55 -1.144,-1.505 -1.127,-1.462 -1.099,-1.426 -1.062,-1.398 -1.02,-1.381 -0.975,-1.375 -0.93,-1.381 -0.887,-1.398 -0.851,-1.426 -0.823,-1.462 -0.806,-1.505 -0.8,-1.55 -0.8,-1.55 -0.8,-2.425 -1.15,-2.425
  Top Layer region: -2.425,-0.8 -1.55,-0.8 -1.505,-0.806 -1.462,-0.823 -1.426,-0.851 -1.398,-0.887 -1.381,-0.93 -1.375,-0.975 -1.381,-1.02 -1.398,-1.062 -1.426,-1.099 -1.462,-1.127 -1.505,-1.144 -1.55,-1.15 -1.55,-1.15 -2.425,-1.15 -2.425,-0.8
  Top Layer region: -2.425,-0.15 -1.55,-0.15 -1.505,-0.156 -1.462,-0.173 -1.426,-0.201 -1.398,-0.238 -1.381,-0.28 -1.375,-0.325 -1.381,-0.37 -1.398,-0.413 -1.426,-0.449 -1.462,-0.477 -1.505,-0.494 -1.55,-0.5 -1.55,-0.5 -2.425,-0.5 -2.425,-0.15
  Top Layer region: -2.425,0.5 -1.55,0.5 -1.505,0.494 -1.462,0.477 -1.426,0.449 -1.398,0.413 -1.381,0.37 -1.375,0.325 -1.381,0.28 -1.398,0.238 -1.426,0.201 -1.462,0.173 -1.505,0.156 -1.55,0.15 -1.55,0.15 -2.425,0.15 -2.425,0.5
  Top Layer region: -2.425,1.15 -1.55,1.15 -1.505,1.144 -1.462,1.127 -1.426,1.099 -1.398,1.062 -1.381,1.02 -1.375,0.975 -1.381,0.93 -1.398,0.887 -1.426,0.851 -1.462,0.823 -1.505,0.806 -1.55,0.8 -1.55,0.8 -2.425,0.8 -2.425,1.15
  silkscreen extent -2.54,1.79 -2.21,2.11, body extent -10,-3.38 10,3.38, height 5.8
ANTENNACHIP [mm] "Chip ANTENNA SMD"
  rect 1.5x2.6 smd: 1(-0.65,0) 2(4.45,0)
BGA15C40P3X5_131X202X62 [mm]
  round 0.208 smd: A1(-0.4,0.8) A2(0,0.8) A3(0.4,0.8) B1(-0.4,0.4) B2(0,0.4) B3(0.4,0.4) C1(-0.4,0) C2(0,0) C3(0.4,0) D1(-0.4,-0.4) D2(0,-0.4) D3(0.4,-0.4) E1(-0.4,-0.8) E2(0,-0.8) E3(0.4,-0.8)
  silkscreen extent -0.95,-1.25 0.85,1.35, body extent -0.65,-1.01 0.65,1.01, height 0.63
BGA16C50P4X4_206X206X62 [mm]
  round 0.29 smd: A1(-0.75,0.75) A2(-0.25,0.75) A3(0.25,0.75) A4(0.75,0.75) B1(-0.75,0.25) B2(-0.25,0.25) B3(0.25,0.25) B4(0.75,0.25) C1(-0.75,-0.25) C2(-0.25,-0.25) C3(0.25,-0.25) C4(0.75,-0.25) D1(-0.75,-0.75) D2(-0.25,-0.75) D3(0.25,-0.75) D4(0.75,-0.75)
  silkscreen extent -1.34,-1.25 1.24,1.34, body extent -1.03,-1.03 1.03,1.03, height 0.63
BT-XTAL_2016 [mm]
  rect 0.95x0.85 smd: 1(-0.725,-0.575) 2(0.725,-0.575) 3(0.725,0.575) 4(-0.725,0.575)
  silkscreen extent -1.08,-0.88 1.08,0.88, body extent -1.05,-0.85 1.05,0.85, height 0.56
"cap_0402_R - modified" [mm] "0402_R"
  rect 0.5x0.5 smd paste-0.05: 1(0,0) 2(1,0)
  silkscreen extent 0.47,-0.26 0.53,0.25, body extent -0.13,-0.25 1.14,0.25, height 0.5
CAPC1005X04L [mm]
  rect 0.6x0.5 smd: 1(-0.5,0) 2(0.5,0)
  silkscreen extent -0.9,-0.35 0.9,0.35, body extent -0.51,-0.25 0.51,0.25, height 0.5
CAPC1608X06L [mm]
  rect 0.75x0.8 smd: 1(-0.675,0) 2(0.675,0)
  silkscreen extent -1.18,-0.5 1.17,0.5, body extent -0.8,-0.43 0.8,0.43, height 0.8
CAPC1608X92X38LL15T08 [mm] "Chip Capacitor, 2-Leads, Body 1.60x0.80mm, IPC High Density"
  rect 0.75x0.9 smd: 1(-0.625,0) 2(0.625,0)
  body extent -0.87,-0.48 0.87,0.48, height 0.92
COIL-XFL4020_V [mm] "SMD, 2-Leads, Body 4x4mm, Pitch 2.37mm"
  rect 0.98x3.4 smd paste+0: 1(-1.185,0) 2(1.185,0)
  body extent -2,-2 2,2, height 2.1
FBGA24_A-130 [mm] "BGA, 24-Balls, Body 8x6mm, Pitch 1mm, A1 missing"
  round 0.35 smd paste-0.35: A2(-1,2) A3(0,2) A4(1,2) A5(2,2) B1(-2,1) B2(-1,1) B3(0,1) B4(1,1) B5(2,1) C1(-2,0) C2(-1,0) C3(0,0) C4(1,0) C5(2,0) D1(-2,-1) D2(-1,-1) D3(0,-1) D4(1,-1) D5(2,-1) E1(-2,-2) E2(-1,-2) E3(0,-2) E4(1,-2) E5(2,-2)
  silkscreen extent -3.77,-4 3,4, body extent -3,-4 3,4, height 1.3
FP-70246-2004-MFG [mm]
  rect 1.74x1.74 hole 1.14 paste-1000 mask+0: 1(-11.43,-1.27)
  round 1.74 hole 1.14 paste-1000 mask+0: 2(-11.43,1.27) 3(-8.89,-1.27) 4(-8.89,1.27) 5(-6.35,-1.27) 6(-6.35,1.27) 7(-3.81,-1.27) 8(-3.81,1.27) 9(-1.27,-1.27) 10(-1.27,1.27) 11(1.27,-1.27) 12(1.27,1.27) 13(3.81,-1.27) 14(3.81,1.27) 15(6.35,-1.27) 16(6.35,1.27) 17(8.89,-1.27) 18(8.89,1.27) 19(11.43,-1.27) 20(11.43,1.27)
  silkscreen extent -17.34,-4.54 16.61,4.54, body extent -16.71,-4.64 16.71,4.64, height 0.25
FP-A6S-1104-H-MFG [mm]
  rect 1.1x1.5 smd paste+0 mask+0: 1(0,-4.45) 2(0,4.45)
  silkscreen extent -1.84,-3.2 1.84,3.2, body extent -1.94,-5.3 1.94,5.3, height 0.25
FP-DFE201610C-MFG [mm]
  rect 0.8x1.8 smd paste+0 mask+0: 1(-0.8,0) 2(0.8,0)
  silkscreen extent -0.03,-0.9 0.03,0.9, body extent -1.3,-1 1.3,1, height 0.25
FP-PTS645SM43SMTR92LFS-MFG [mm]
  rect 1.55x1.3 smd paste+0 mask+0: 1(-3.975,2.25) 2(3.975,2.25) 3(-3.975,-2.25) 4(3.975,-2.25)
  silkscreen extent -5.52,-3 3,3, body extent -4.85,-3.1 4.85,3.1, height 0.25
FP-SiT1533-H-MFG [mm]
  rect 0.4x1.4 smd paste+0 mask+0: 1(-0.8,0) 3(0.8,0)
  rect 0.2x0.5 smd paste+0 mask+0: 2(-0.1,-0.45) 4(0.1,0.45)
  silkscreen extent -1.67,-1.08 1.02,1.08, body extent -1.12,-0.8 1.12,0.8, height 0.25
HDRV12W64P254_2X6_1524X508X889P [mm]
  rect 1.65x1.65 hole 1.1: 1(0,0)
  round 1.65 hole 1.1: 2(0,2.54) 3(2.54,0) 4(2.54,2.54) 5(5.08,0) 6(5.08,2.54) 7(7.62,0) 8(7.62,2.54) 9(10.16,0) 10(10.16,2.54) 11(12.7,0) 12(12.7,2.54)
  silkscreen extent -1.42,-1.35 14.12,3.89, body extent -1.27,-1.27 13.97,3.81, height 8.89
INDC1005X04L [mm]
  rect 0.65x0.5 smd: 1(-0.475,0) 2(0.475,0)
  silkscreen extent -0.9,-0.35 0.9,0.35, body extent -0.5,-0.3 0.5,0.3, height 0.5
J1-0603 [mm] "Chip Resistor, Body 1.6x0.8mm, IPC High Density"
  rect 0.7x0.9 smd: 1(-0.75,0) 2(0.75,0)
  silkscreen extent -0.2,-0.35 0.2,0.35, body extent -0.85,-0.48 0.85,0.48, height 0.9
QFN40P600X600X90-48N [mm]
  oval 0.65x0.2 smd mask+0.05: 1(-3.025,2.2) 2(-3.025,1.8) 3(-3.025,1.4) 4(-3.025,1) 5(-3.025,0.6) 6(-3.025,0.2) 7(-3.025,-0.2) 8(-3.025,-0.6) 9(-3.025,-1) 10(-3.025,-1.4) 11(-3.025,-1.8) 12(-3.025,-2.2) 25(3.025,-2.2) 26(3.025,-1.8) 27(3.025,-1.4) 28(3.025,-1) 29(3.025,-0.6) 30(3.025,-0.2) 31(3.025,0.2) 32(3.025,0.6) 33(3.025,1) 34(3.025,1.4) 35(3.025,1.8) 36(3.025,2.2)
  oval 0.2x0.65 smd mask+0.05: 13(-2.2,-3.025) 14(-1.8,-3.025) 15(-1.4,-3.025) 16(-1,-3.025) 17(-0.6,-3.025) 18(-0.2,-3.025) 19(0.2,-3.025) 20(0.6,-3.025) 21(1,-3.025) 22(1.4,-3.025) 23(1.8,-3.025) 24(2.2,-3.025) 37(2.2,3.025) 38(1.8,3.025) 39(1.4,3.025) 40(1,3.025) 41(0.6,3.025) 42(0.2,3.025) 43(-0.2,3.025) 44(-0.6,3.025) 45(-1,3.025) 46(-1.4,3.025) 47(-1.8,3.025) 48(-2.2,3.025)
  rect 4.7x4.7 smd: 49(0,0)
  silkscreen extent -4.03,-3 3,3, body extent -3.02,-3.02 3.02,3.02, height 0.86
"res_0402_R - modified" [mm] "0402_R"
  rect 0.5x0.5 smd paste-0.05: 1(0,0) 2(1,0)
  silkscreen extent 0.46,-0.25 0.54,0.25, body extent -0.13,-0.25 1.14,0.25, height 0.3
SON35P100X100X38-6N [mm]
  rect 0.75x0.15 smd: 1(-0.5,0.35) 2(-0.5,0) 3(-0.5,-0.35) 4(0.5,-0.35) 5(0.5,0) 6(0.5,0.35)
  silkscreen extent -1,0.8 -0.75,1.05, body extent -0.55,-0.5 0.55,0.5, height 0.38
"SOT23__DDC__(R - PDSO-  G5)" [mm]
  rect 1.05x0.6 smd: 1(-1.2,0.95) 2(-1.2,0) 3(-1.2,-0.95) 4(1.2,-0.95) 5(1.2,0.95)
  silkscreen extent -1.37,-1.55 0.3,1.83, body extent -0.87,-1.52 0.87,1.53, height 1.1
"SOT_23__DBV_(R - PDSO - G5)" [mm]
  rect 1.1x0.6 smd: 1(-1.2,0.95) 2(-1.2,0) 3(-1.2,-0.95) 4(1.2,-0.95) 5(1.2,0.95)
  silkscreen extent -1.47,-1.5 0.25,1.8, body extent -0.85,-1.5 0.85,1.5, height 1.45